# Altium PCB Stabilizer_Pounder.PcbDoc (part 1 of 2)
Units mm, origin at the board's own origin, x right, y up, seen from the top; angles counter-clockwise.
Board outline 113.55 x 100 mm, 4 copper layers (Top, L2, L3, Bottom Layer), stack 1.579 mm thick; 456 components, 323 nets, 1495 pads, 55 vias.
Unrouted connection lines stored in the file: 1140.
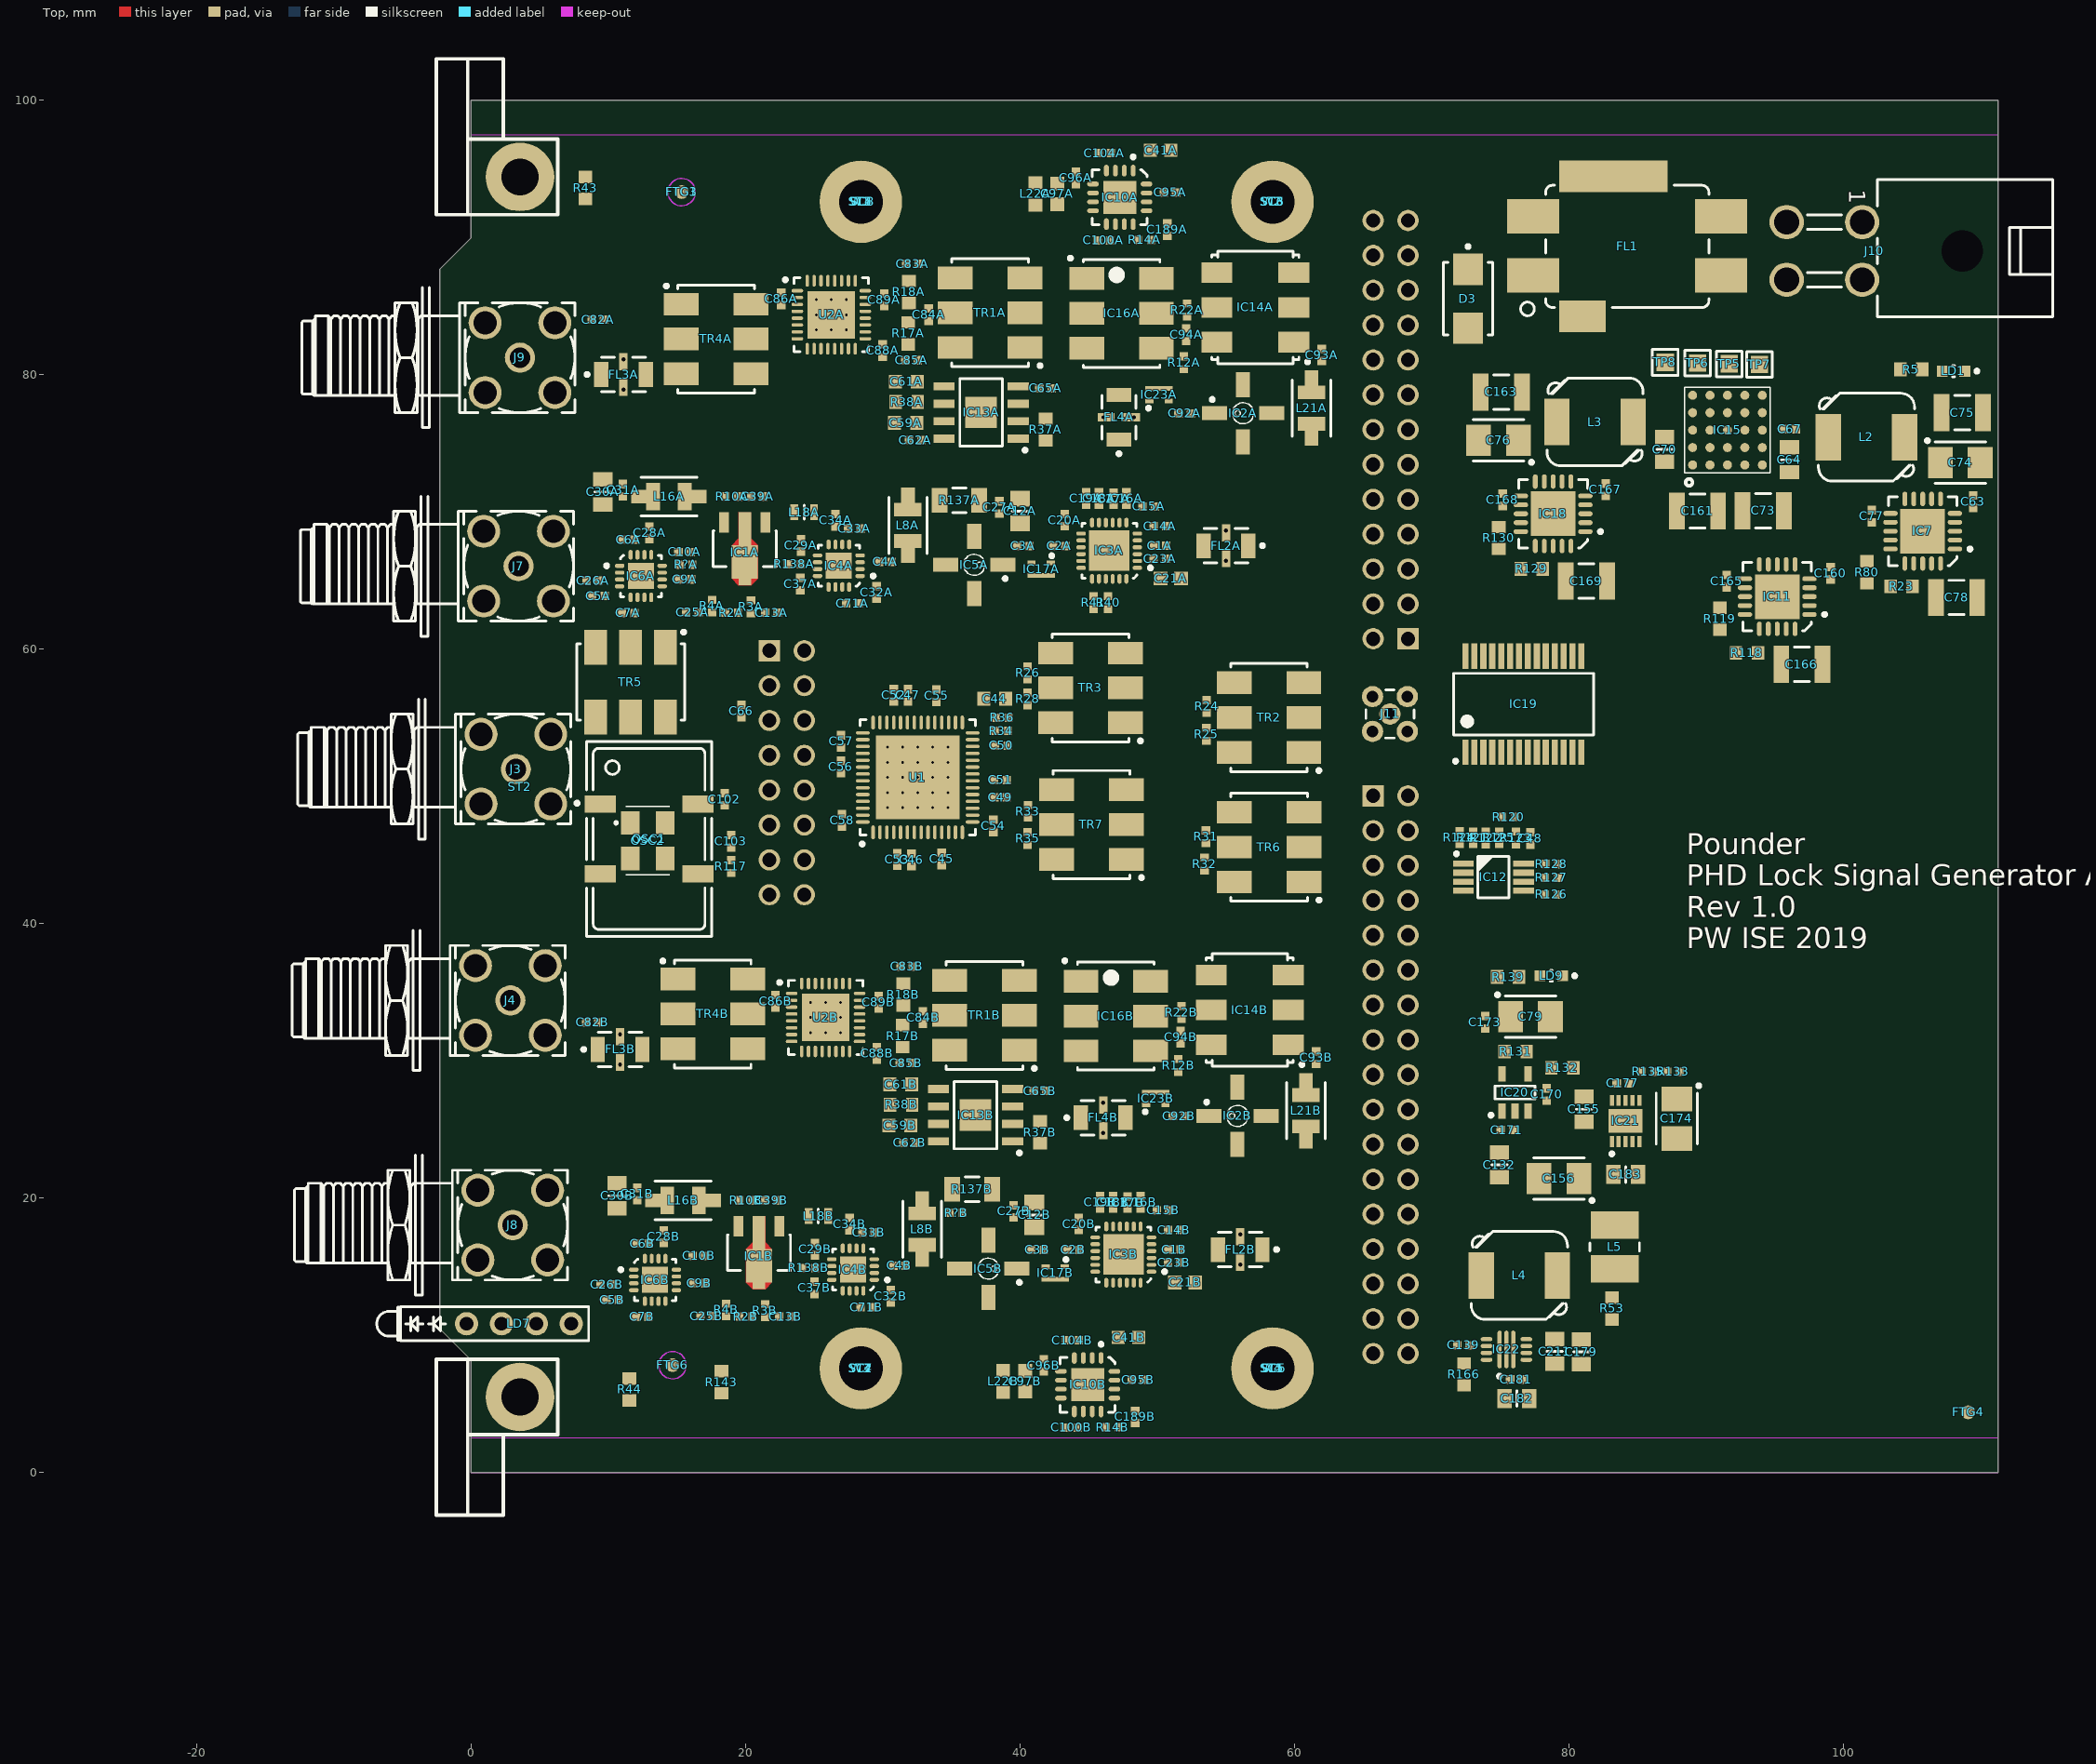
[diagram p0: Top view]
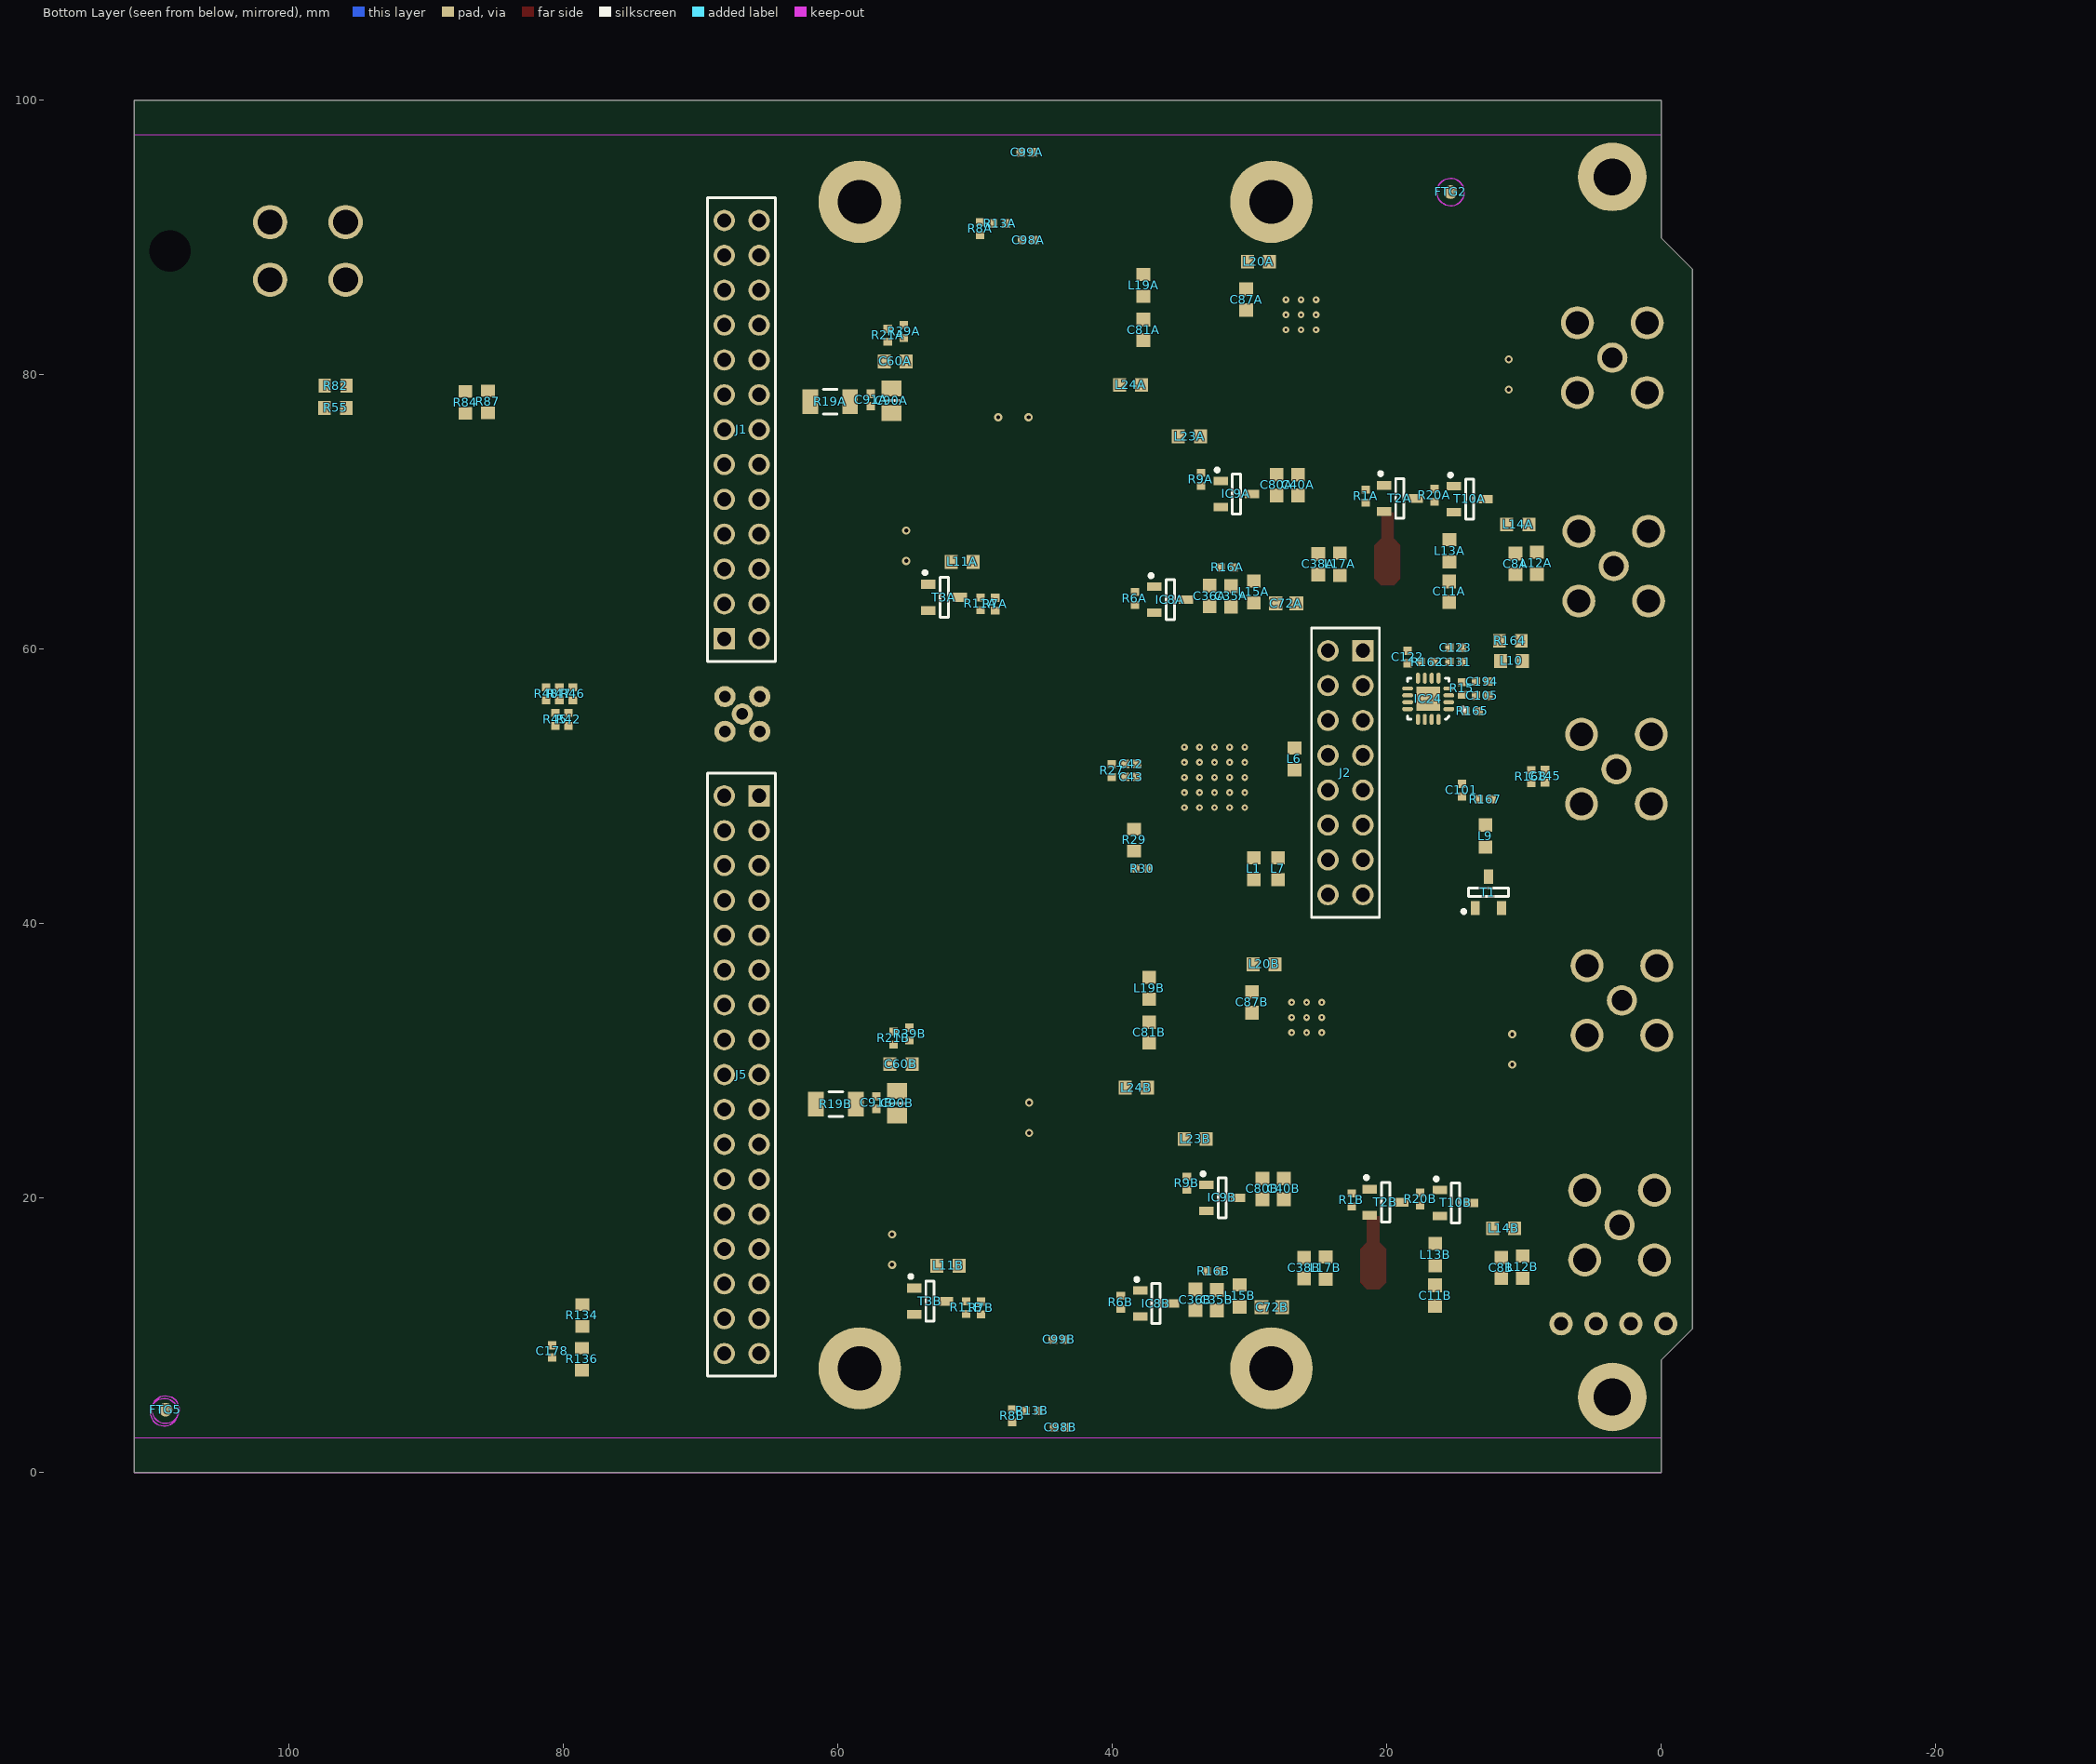
[diagram p1: Bottom Layer view, seen from below]
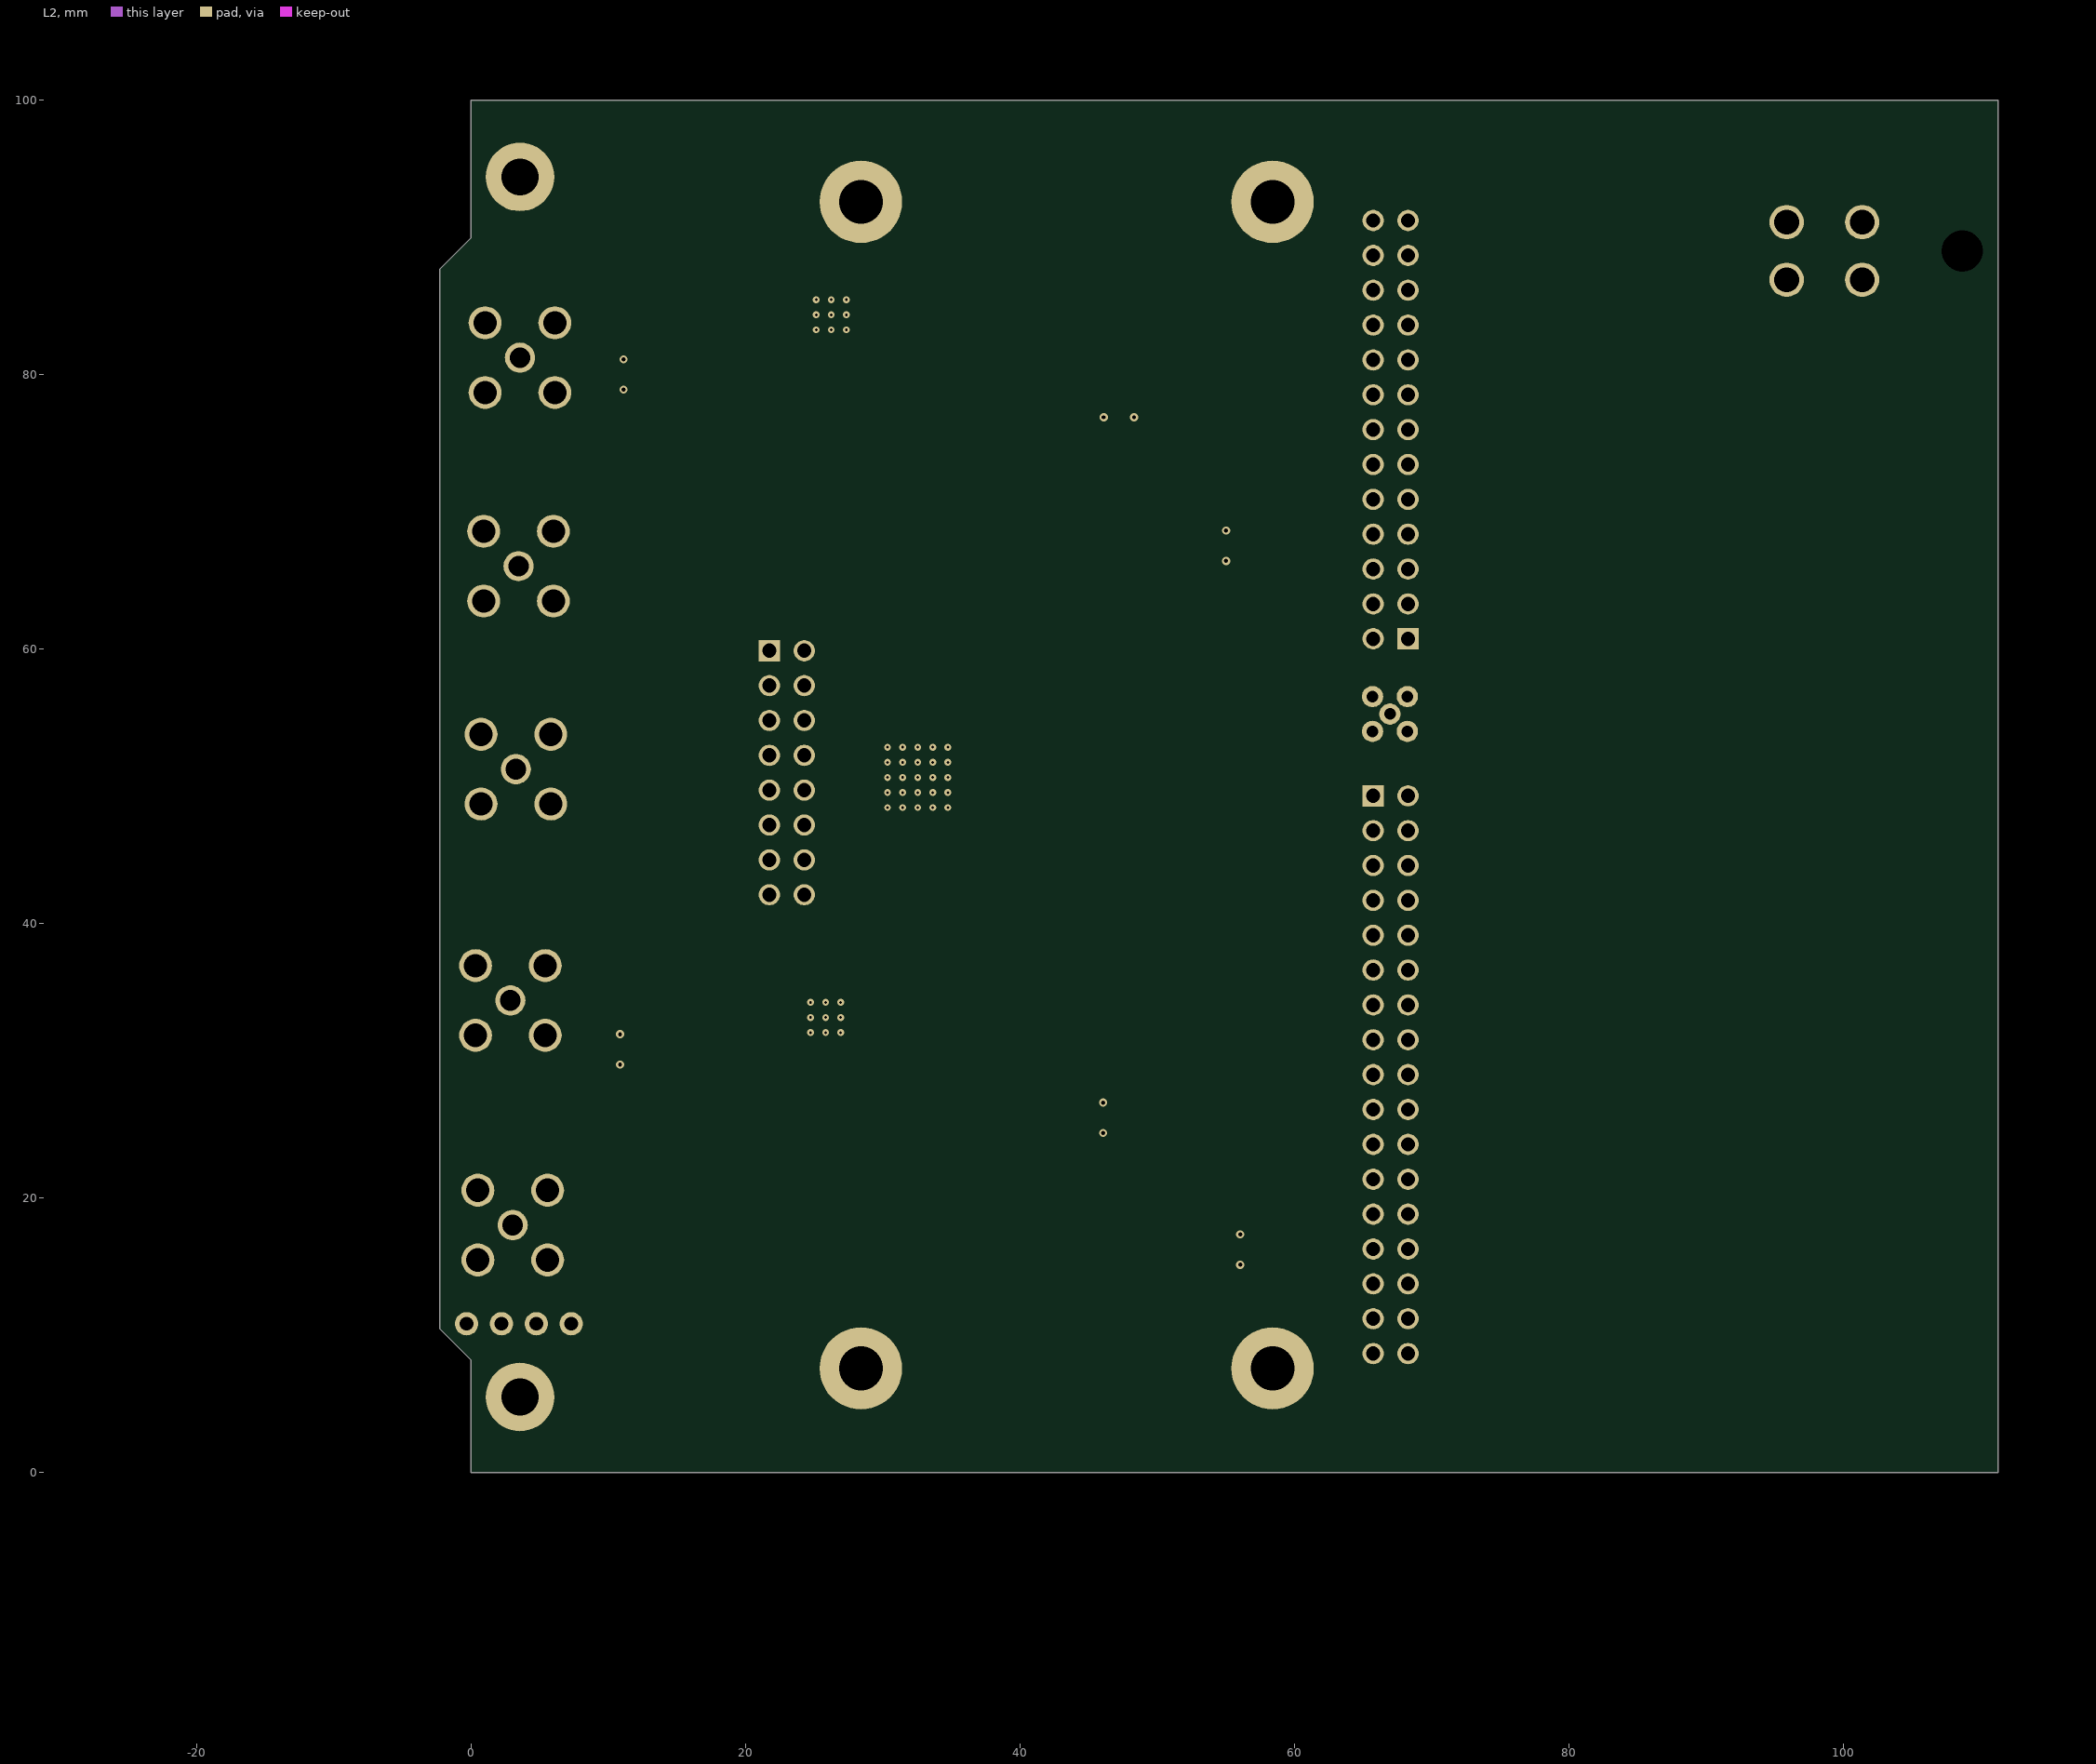
[diagram p2: L2]

## Layer stack, top to bottom
Top Solder: solder mask 0.0102, Solder Resist, Dk 3.5
Top: signal copper 0.0356
Dielectric1: core 0.18, FR-4, Dk 4.2
L2: signal copper 0.036
Dielectric3: prepreg 1.076, PP-015, Dk 4.2
L3: signal copper 0.036
Dielectric2: core 0.18, FR-4, Dk 4.2
Bottom Layer: signal copper 0.0356
Bottom Solder: solder mask 0.0102, Solder Resist, Dk 3.5

## Board outline
0,8.2 -2.3,10.5 -2.3,87.675 0,89.975 0,100 111.25,100 111.25,0 0,0

## Design rules (kind name [scope] priority, off if disabled: settings)
AcuteAngle [All] p1: minimum=6.00000000000000E+0001 checktracksonly=FALSE
BoardOutlineClearance BoardOutlineClearance_silk [(OnLayer('Top Overlay') OR OnLayer('Bottom Overlay'))] p1: gap=0 ignorepadtopadclearanceinfootprint=FALSE
BoardOutlineClearance BoardOutlineClearance_keepout [Keepout] p2: gap=0 ignorepadtopadclearanceinfootprint=FALSE
BoardOutlineClearance [All] p3: gap=0.254 ignorepadtopadclearanceinfootprint=FALSE except(0: Arc-SplitContinuation Track-SplitContinuation SMDPad-SplitContinuation THPad-SplitContinuation Via-SplitContinuation Fill-SplitContinuation Poly-SplitContinuation Region-SplitContinuation Text-SplitContinuation; 0.5: Arc-OutlineEdge Track-OutlineEdge SMDPad-OutlineEdge THPad-OutlineEdge Via-OutlineEdge Fill-OutlineEdge Poly-OutlineEdge Region-OutlineEdge Text-OutlineEdge)
Clearance outline_edge [OnLayer('Top Overlay')] p1: gap=-25.4 ignorepadtopadclearanceinfootprint=FALSE
Clearance Clearance_DIFF [(InDifferentialPairClass('All Differential Pairs'))] p2: gap=0.127 ignorepadtopadclearanceinfootprint=FALSE except(0.254: Arc-Poly Track-Poly SMDPad-Poly THPad-Poly Via-Poly Fill-Poly Poly-Poly Poly-Region Poly-Text Poly-Hole)
Clearance [All] p3: gap=0.127 ignorepadtopadclearanceinfootprint=FALSE except(0.381: Arc-Poly Track-Poly SMDPad-Poly THPad-Poly Via-Poly Fill-Poly Poly-Poly Poly-Region Poly-Text Poly-Hole)
DiffPairsRouting [All] p1: maxlimit=0.254 minlimit=0.254 mostfreqgap=0.254 toplayer_minwidth=0.381 toplayer_maxwidth=0.381 toplayer_prefwidth=0.381 midlayer1_minwidth=0.381 midlayer1_maxwidth=0.381 midlayer1_prefwidth=0.381 midlayer2_minwidth=0.381 midlayer2_maxwidth=0.381 midlayer2_prefwidth=0.381 bottomlayer_minwidth=0.381 bottomlayer_maxwidth=0.381 bottomlayer_prefwidth=0.381 maxuncoupledlength=12.7
HoleSize [All] p1: absolutevalues=TRUE maxlimit=3.81 minlimit=0.2 maxpercent=80.000 minpercent=20.000
HoleToHoleClearance [All] p1: gap=0.025 allowstackedmicrovias=TRUE
MinimumSolderMaskSliver [All] p1: minsoldermaskwidth=0
PlaneClearance PlaneClearance_outer [OnOutside] p1: clearance=0.254
PlaneClearance [All] p2: clearance=0.5
PlaneConnect [All] p1: pad.planeconnectstyle=Relief pad.reliefexpansion=0.508 pad.reliefentries=4 pad.reliefconductorwidth=0.254 pad.reliefairgap=0.254 via.planeconnectstyle=Direct via.reliefexpansion=0.508 via.reliefentries=4 via.reliefconductorwidth=0.254 via.reliefairgap=0.254
PolygonConnect PolygonConnect_pad [(InPadClass('All Pads'))] p1: connectstyle=Relief reliefconductorwidth=0.254 reliefentries=4 polygonreliefangle="90 Angle" airgapwidth=0.254
PolygonConnect [All] p2: connectstyle=Direct reliefconductorwidth=0.254 reliefentries=4 polygonreliefangle="90 Angle" airgapwidth=0.254
RoomDefinition Stabilizer_Pounder [InComponentClass('Stabilizer_Pounder')] p1: confinementstyle=ConfineIn formatcopy=TRUE lockcomponents=FALSE outline 112.395,19.485 86.1,19.485 86.1,8.56 112.395,8.56
RoomDefinition Quad_DDS [InComponentClass('Quad_DDS')] p2: confinementstyle=ConfineIn formatcopy=TRUE lockcomponents=FALSE outline 6.72,38.59 62.86,38.59 62.86,61.71 6.72,61.71
RoomDefinition PWR_Det2 [InComponentClass('PWR_Det2')] p3: confinementstyle=ConfineIn formatcopy=TRUE lockcomponents=FALSE outline 36.48,2.69 49.865,2.69 49.865,10.72 36.48,10.72
RoomDefinition PWR_Det1 [InComponentClass('PWR_Det1')] p4: confinementstyle=ConfineIn formatcopy=TRUE lockcomponents=FALSE outline 38.82,89.2 52.205,89.2 52.205,97.23 38.82,97.23
RoomDefinition Mixer_coupler2 [InComponentClass('Mixer_coupler2')] p5: confinementstyle=ConfineIn formatcopy=TRUE lockcomponents=FALSE outline 7.46,22.44 62.47,22.44 62.47,38.19 7.46,38.19
RoomDefinition Mixer_coupler1 [InComponentClass('Mixer_coupler1')] p6: confinementstyle=ConfineIn formatcopy=TRUE lockcomponents=FALSE outline 7.87,73.64 62.88,73.64 62.88,89.39 7.87,89.39
RoomDefinition Digital_Attenuator_Amp2 [InComponentClass('Digital_Attenuator_Amp2')] p7: confinementstyle=ConfineIn formatcopy=TRUE lockcomponents=FALSE outline 8.963,10.295 59.293,10.295 59.293,22.255 8.963,22.255
RoomDefinition Digital_Attenuator_Amp1 [InComponentClass('Digital_Attenuator_Amp1')] p8: confinementstyle=ConfineIn formatcopy=TRUE lockcomponents=FALSE outline 7.93,61.58 58.26,61.58 58.26,73.54 7.93,73.54
RoutingVias [All] p1: holewidth=0.2 width=0.5 viastyle="Through Hole" minholewidth=0.2 minwidth=0.5 maxholewidth=0.711 maxwidth=1.27
SilkToSolderMaskClearance [IsPad] p1: minsilkscreentomaskgap=0 clearancetoexposedcopper=TRUE
SolderMaskExpansion [All] p1: expansion=0.051
UnRoutedNet [All] p1: checkbadconnections=TRUE
Width [All] p1: maxlimit=1.27 minlimit=0.127 preferedwidth=0.127 minimp=50.000000 maximp=50.000000 favimp=50.000000
22 further rules are at their usual default settings.

## Classes and differential pairs
channel class PWR_Det: PWR_Det1 PWR_Det2
channel class Mixer_coupler: Mixer_coupler1 Mixer_coupler2
channel class Digital_Attenuator_Amp: Digital_Attenuator_Amp1 Digital_Attenuator_Amp2
net class DDS_P[3..0]: DDS_P0 DDS_P1 DDS_P2 DDS_P3
net class 50_Ohms: CK_OSC NetC1A_1 NetC1A_2 NetC1B_1 NetC1B_2 NetC2A_1 NetC2A_2 NetC2B_1 NetC2B_2 NetC3A_1 NetC3A_2 NetC3B_1 NetC3B_2 NetC4A_1 NetC4A_2 NetC4B_1 NetC4B_2 NetC13A_1 NetC13A_2 NetC13B_1 NetC13B_2 NetC25A_1 NetC25A_2 NetC25B_1 NetC25B_2 NetC26A_1 NetC26A_2 NetC26B_1 NetC26B_2 NetC28A_1 NetC28B_1 NetC34A_1 NetC34A_2 NetC34B_1 NetC34B_2 NetC39A_1 NetC39B_1 NetC82A_1 NetC82A_2 NetC82B_1 NetC82B_2 NetC92A_1 NetC92B_1 NetC93A_1 NetC93A_2 NetC93B_1 NetC93B_2 NetC103_2 NetFL2A_1 NetFL2B_1 NetFL3A_3 NetFL3B_3 NetFL4A_1 NetFL4A_3 NetFL4B_1 NetFL4B_3 NetIC14A_3 NetIC14B_3
component class Quad_DDS: C42 C43 C44 C45 C46 C47 C49 C50 C51 C52 C53 C54 C55 C56 C57 C58 C66 C101 C102 C103 C105 C122 C123 C131 C145 C194 IC24 J11 L1 L6 L7 L9 L10 OSC1 OSC2 R15 R24 R25 R26 R27 R28 R29 R30 R31 R32 R33 R34 R35 R36 R117 R162 R164 R165 R167 R168 T1 TR2 TR3 TR5 TR6 TR7 U1
component class PWR_Det2: C41B C95B C96B C97B C98B C99B C100B C104B C189B IC10B L22B R8B R13B R14B
component class PWR_Det1: C41A C95A C96A C97A C98A C99A C100A C104A C189A IC10A L22A R8A R13A R14A
component class Mixer_coupler2: C59B C60B C61B C62B C65B C81B C82B C83B C84B C85B C86B C87B C88B C89B C90B C91B C92B C93B C94B FL3B FL4B IC2B IC13B IC14B IC16B IC23B L19B L20B L21B L23B L24B R12B R17B R18B R19B R21B R22B R37B R38B R39B TR1B TR4B U2B
component class Mixer_coupler1: C59A C60A C61A C62A C65A C81A C82A C83A C84A C85A C86A C87A C88A C89A C90A C91A C92A C93A C94A FL3A FL4A IC2A IC13A IC14A IC16A IC23A L19A L20A L21A L23A L24A R12A R17A R18A R19A R21A R22A R37A R38A R39A TR1A TR4A U2A
component class Digital_Attenuator_Amp2: C1B C2B C3B C4B C5B C6B C7B C8B C9B C10B C11B C12B C13B C14B C15B C16B C17B C18B C19B C20B C21B C23B C25B C26B C27B C28B C29B C30B C31B C32B C33B C34B C35B C36B C37B C38B C39B C40B C71B C72B C80B FL2B IC1B IC3B IC4B IC5B IC6B IC8B IC9B IC17B L8B L11B L12B L13B L14B L15B L16B L17B L18B R1B R2B R3B R4B R6B R7B R9B R10B R11B R16B R20B R137B R138B R?B T2B T3B T10B
component class Digital_Attenuator_Amp1: C1A C2A C3A C4A C5A C6A C7A C8A C9A C10A C11A C12A C13A C14A C15A C16A C17A C18A C19A C20A C21A C23A C25A C26A C27A C28A C29A C30A C31A C32A C33A C34A C35A C36A C37A C38A C39A C40A C71A C72A C80A FL2A IC1A IC3A IC4A IC5A IC6A IC8A IC9A IC17A L8A L11A L12A L13A L14A L15A L16A L17A L18A R1A R2A R3A R4A R6A R7A R9A R10A R11A R16A R20A R137A R138A R?A T2A T3A T10A
component class U_mechanics: FTG1 FTG2 FTG3 FTG4 FTG5 FTG6 R43 R44 SC1 SC2 SC3 SC4 SC5 SC6 SC7 SC8 ST1 ST2 ST3 ST4 ST5 W1 W2 W3 W4
component class U_power_supplies: C48 C63 C64 C67 C70 C73 C74 C75 C76 C77 C78 C79 C132 C139 C155 C156 C160 C161 C163 C165 C166 C167 C168 C169 C170 C171 C173 C174 C177 C178 C179 C181 C182 C183 C211 D3 FL1 IC7 IC11 IC12 IC15 IC18 IC20 IC21 IC22 J10 L2 L3 L4 L5 LD1 LD7 LD9 p15v0 R5 R23 R53 R55 R80 R82 R84 R87 R118 R119 R120 R121 R122 R123 R124 R125 R126 R127 R128 R129 R130 R131 R132 R133 R134 R135 R136 R139 R143 R166 TP5 TP6 TP7 TP8
component class Stabilizer_Pounder: IC19 J1 J2 J3 J4 J5 J7 J8 J9 R40 R41 R42 R45 R46 R47 R48
differential pair REFCLK: +REFCLK_P -REFCLK_N
differential pair CLK_SMA: +CLK_SMA_P -CLK_SMA_N
differential pair CH3_OUT: +CH3_OUT_P -CH3_OUT_N
differential pair CH2_OUT: +CH2_OUT_P -CH2_OUT_N
differential pair CH1_OUT: +CH1_OUT_P -CH1_OUT_N
differential pair CH0_OUT: +CH0_OUT_P -CH0_OUT_N

## Components (designator, comment, footprint, x,y, rotation, side; value= is the part's Value field where it differs from the comment)
C1A "2.2uF" CAPC1005X55N 50.2,67.543 r180 top (schematic designator C1)
C1B "2.2uF" CAPC1005X55N 51.233,16.258 r180 top (schematic designator C1)
C2A "2.2uF" CAPC1005X55N 42.855,67.523 r180 top (schematic designator C2)
C2B "2.2uF" CAPC1005X55N 43.888,16.238 r180 top (schematic designator C2)
C3A "2.2uF" CAPC1005X55N 40.227,67.523 r180 top (schematic designator C3)
C3B "2.2uF" CAPC1005X55N 41.26,16.238 r180 top (schematic designator C3)
C4A "2.2uF" CAPC1005X55N 30.187,66.362 r180 top (schematic designator C4)
C4B "2.2uF" CAPC1005X55N 31.22,15.076 r180 top (schematic designator C4)
C5A "100pF" CAPC1005X55N 9.27,63.88 r180 top (schematic designator C5)
C5B "100pF" CAPC1005X55N 10.303,12.595 r180 top (schematic designator C5)
C6A "100pF" CAPC1005X55N 11.46,67.98 r0 top (schematic designator C6)
C6B "100pF" CAPC1005X55N 12.493,16.695 r0 top (schematic designator C6)
C7A "100pF" CAPC1005X55N 11.44,62.64 r0 top (schematic designator C7)
C7B "100pF" CAPC1005X55N 12.473,11.355 r0 top (schematic designator C7)
C8A "10uF" CAPC1608X80N 10.61,66.21 r270 bottom (schematic designator C8)
C8B "10uF" CAPC1608X80N 11.643,14.925 r270 bottom (schematic designator C8)
C9A "100pF" CAPC1005X55N 15.59,65.09 r180 top (schematic designator C9)
C9B "100pF" CAPC1005X55N 16.623,13.805 r180 top (schematic designator C9)
C10A "100pF" CAPC1005X55N 15.55,67.08 r0 top (schematic designator C10)
C10B "100pF" CAPC1005X55N 16.583,15.795 r0 top (schematic designator C10)
C11A "10uF" CAPC1608X80N 15.44,64.19 r90 bottom (schematic designator C11)
C11B "10uF" CAPC1608X80N 16.473,12.905 r90 bottom (schematic designator C11)
C12A "1uF" CAPC2012X140N 39.997,70.068 r90 top (schematic designator C12)
C12B "1uF" CAPC2012X140N 41.031,18.783 r90 top (schematic designator C12)
C13A "2.2uF" CAPC1005X55N 21.87,62.66 r180 top (schematic designator C13)
C13B "2.2uF" CAPC1005X55N 22.903,11.375 r180 top (schematic designator C13)
C14A "10nF" CAPC1005X55N 50.185,68.958 r180 top (schematic designator C14)
C14B "10nF" CAPC1005X55N 51.218,17.673 r180 top (schematic designator C14)
C15A "10nF" CAPC1005X55N 49.375,70.398 r180 top (schematic designator C15)
C15B "10nF" CAPC1005X55N 50.408,19.113 r180 top (schematic designator C15)
C16A "10nF" CAPC1005X55N 47.745,70.988 r270 top (schematic designator C16)
C16B "10nF" CAPC1005X55N 48.778,19.703 r270 top (schematic designator C16)
C17A "10nF" CAPC1005X55N 46.805,70.968 r270 top (schematic designator C17)
C17B "10nF" CAPC1005X55N 47.838,19.683 r270 top (schematic designator C17)
C18A "10nF" CAPC1005X55N 45.745,70.988 r270 top (schematic designator C18)
C18B "10nF" CAPC1005X55N 46.778,19.703 r270 top (schematic designator C18)
C19A "10nF" CAPC1005X55N 44.805,70.988 r270 top (schematic designator C19)
C19B "10nF" CAPC1005X55N 45.838,19.703 r270 top (schematic designator C19)
C20A "10nF" CAPC1005X55N 43.245,69.408 r270 top (schematic designator C20)
C20B "10nF" CAPC1005X55N 44.278,18.123 r270 top (schematic designator C20)
C21A "10uF" CAPC1608X80N 50.98,65.148 r180 top (schematic designator C21)
C21B "10uF" CAPC1608X80N 52.013,13.863 r180 top (schematic designator C21)
C23A "1nF" CAPC1005X55N 50.185,66.588 r180 top (schematic designator C23)
C23B "1nF" CAPC1005X55N 51.218,15.303 r180 top (schematic designator C23)
C25A "2.2uF" CAPC1005X55N 16.12,62.69 r180 top (schematic designator C25)
C25B "2.2uF" CAPC1005X55N 17.153,11.405 r180 top (schematic designator C25)
C26A "2.2uF" CAPC1005X55N 8.85,65 r180 top (schematic designator C26)
C26B "2.2uF" CAPC1005X55N 9.883,13.715 r180 top (schematic designator C26)
C27A "100nF" CAPC1005X55N 38.495,70.328 r90 top (schematic designator C27)
C27B "100nF" CAPC1005X55N 39.528,19.043 r90 top (schematic designator C27)
C28A "2.2uF" CAPC1005X55N 12.99,68.49 r270 top (schematic designator C28)
C28B "2.2uF" CAPC1005X55N 14.023,17.205 r270 top (schematic designator C28)
C29A "100pF" CAPC1005X55N 24.025,67.575 r270 top (schematic designator C29)